# Altium PCB WordClock2.PcbDoc (part 3 of 3) (continued)
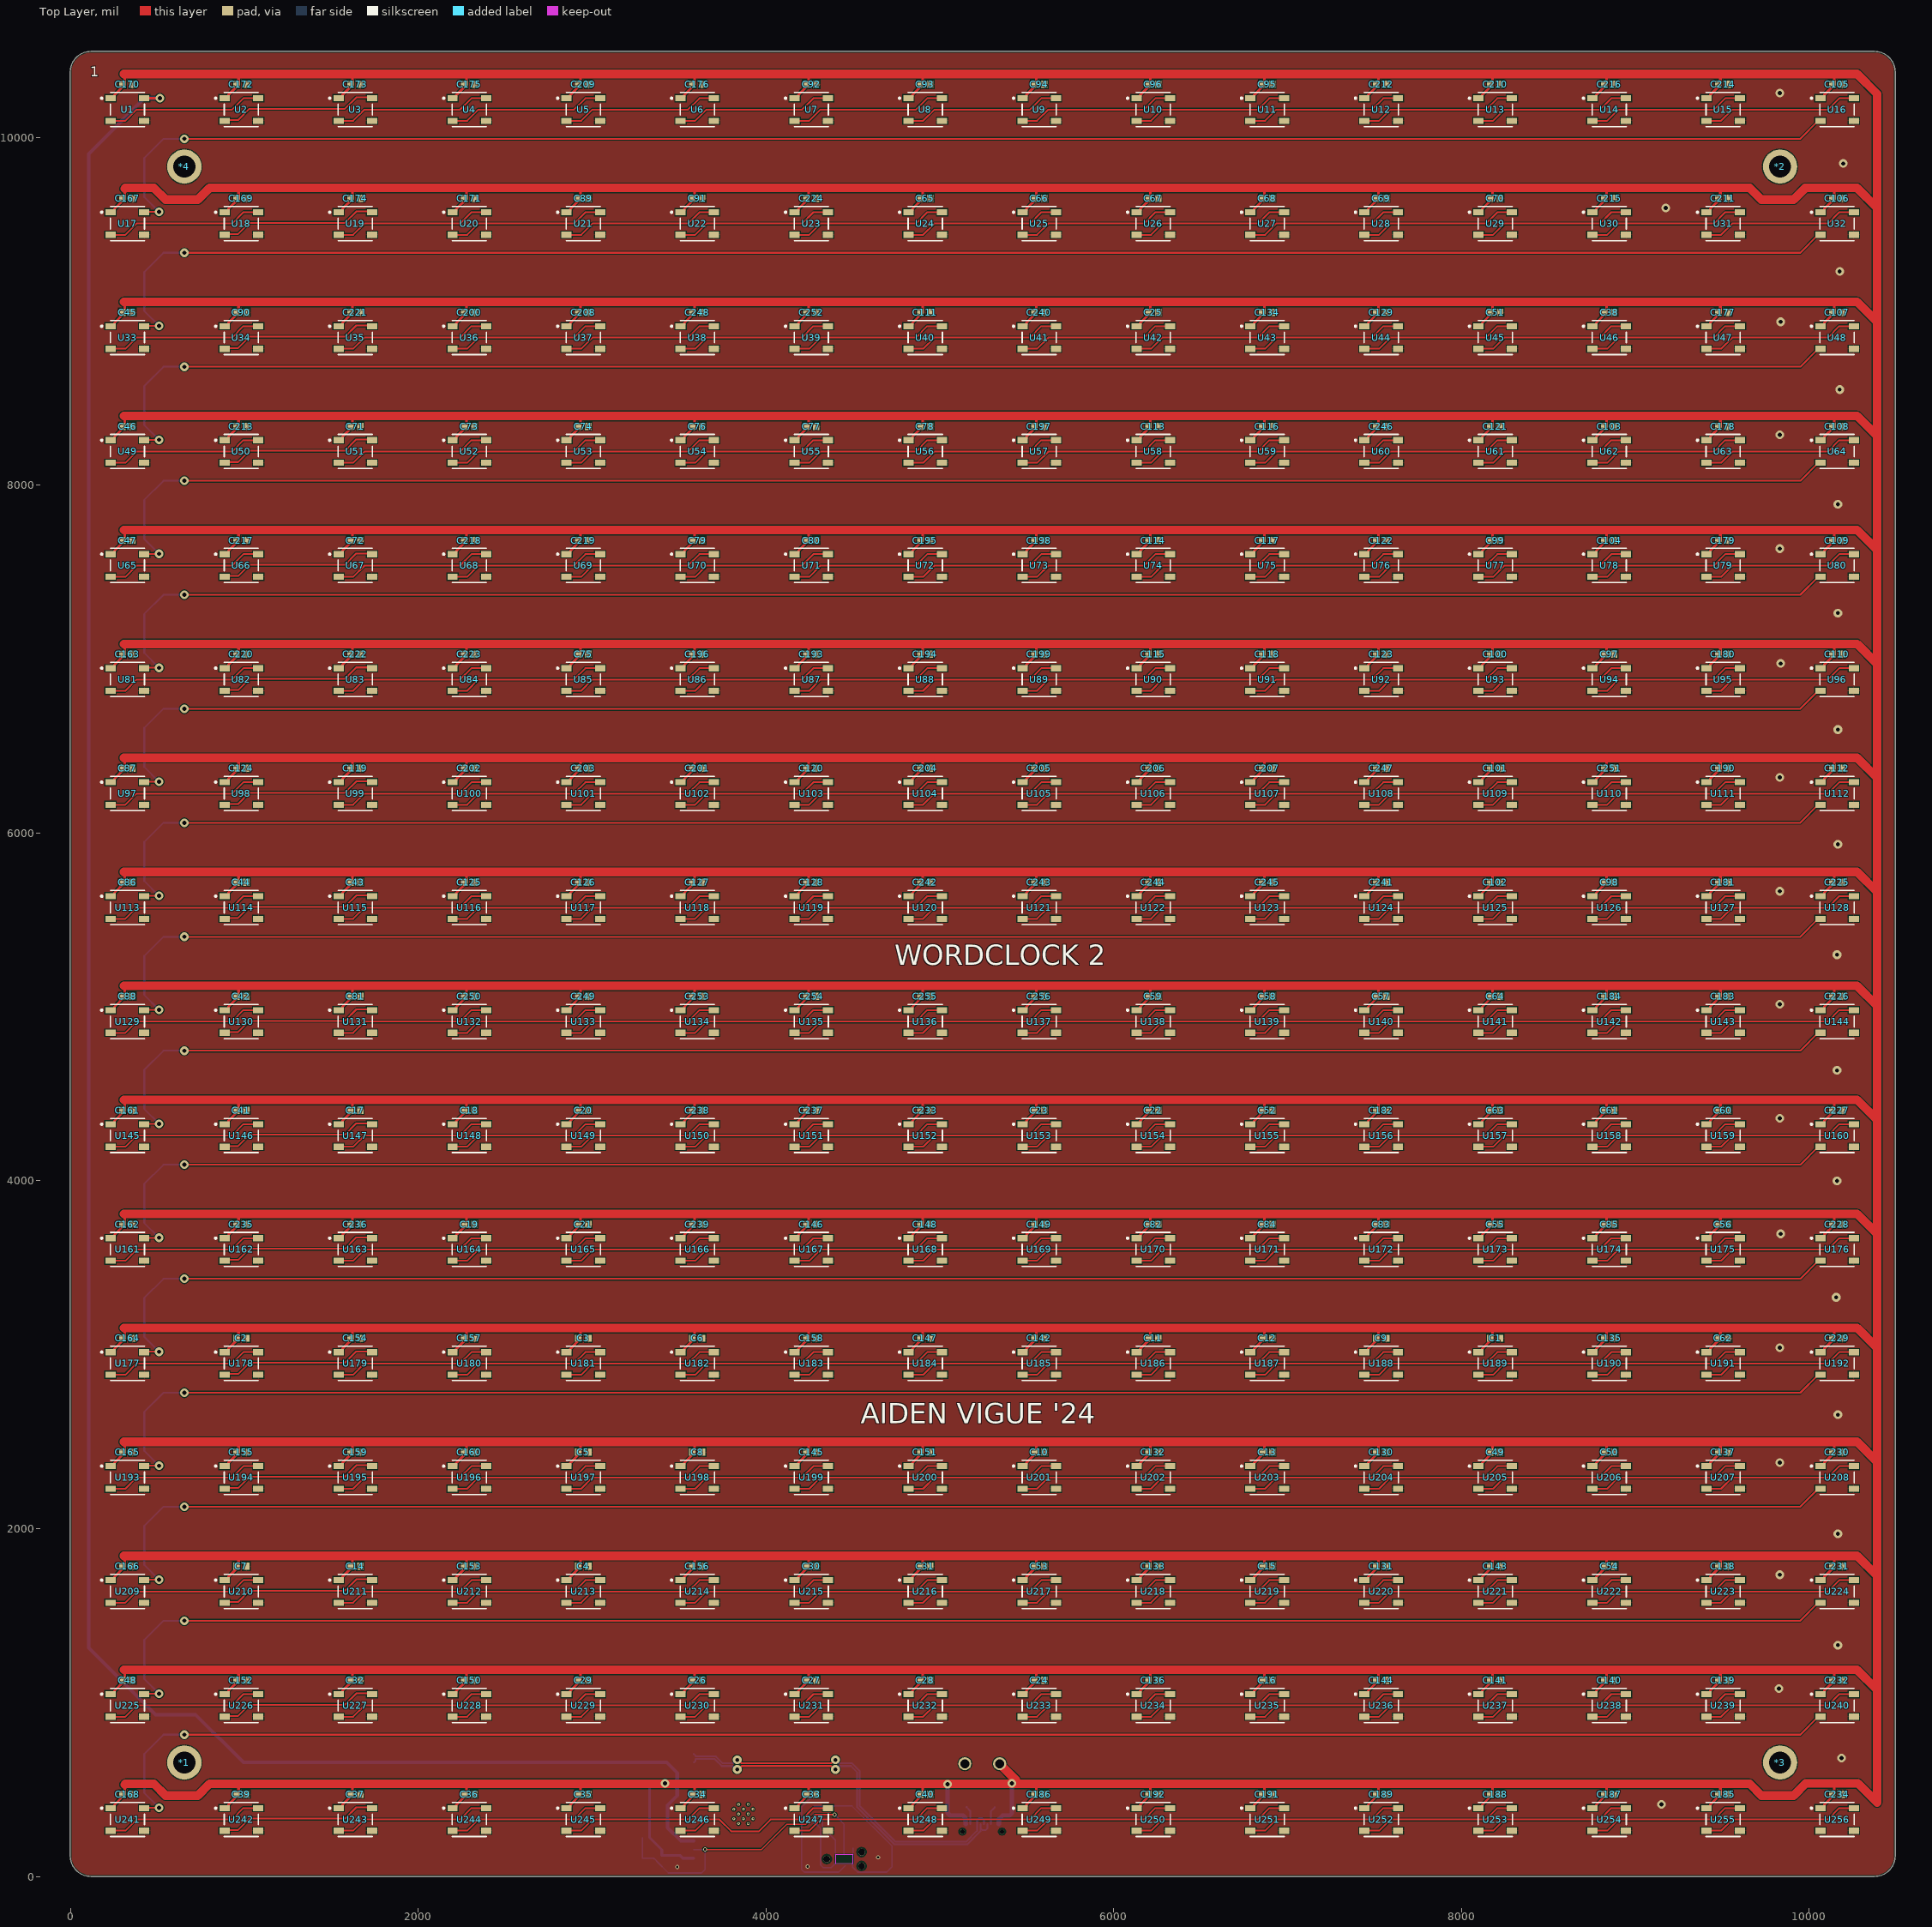
[diagram p0: Top Layer view]
## Nets (pads, with @x,y where several pads share a name; then routed paths per layer and width w, separated by ;. In a path a pad name is that pad's centre, name@x,y a point inside that pad or via, vN(x,y) a via of type N, cw(c..) or ccw(c..) an arc to the next point about the centre after c; other vN are vias at no path point) (continued)
NetU116_2: U116.2 U117.4 | length 902.2
  Top Layer w10: U116.2@2197.84,5506.89 2282.01,5506.89 2346.54,5571.42 2896.54,5571.42 2961.93,5636.81 U117.4@3046.26,5636.81
NetU117_2: U117.2 U118.4 | length 902.2
  Top Layer w10: U117.2@2853.35,5506.89 2937.52,5506.89 3002.05,5571.42 3552.05,5571.42 3617.44,5636.81 U118.4@3701.77,5636.81
NetU118_2: U118.2 U119.4 | length 902.2
  Top Layer w10: U118.2@3508.86,5506.89 3593.03,5506.89 3657.56,5571.42 4207.56,5571.42 4272.95,5636.81 U119.4@4357.28,5636.81
NetU119_2: U119.2 U120.4 | length 902.2
  Top Layer w10: U119.2@4164.37,5506.89 4248.55,5506.89 4313.07,5571.42 4863.07,5571.42 4928.47,5636.81 U120.4@5012.8,5636.81
NetU120_2: U120.2 U121.4 | length 902.2
  Top Layer w10: U120.2@4819.88,5506.89 4904.06,5506.89 4968.58,5571.42 5518.58,5571.42 5583.98,5636.81 U121.4@5668.31,5636.81
NetU121_2: U121.2 U122.4 | length 902.2
  Top Layer w10: U121.2@5475.39,5506.89 5559.57,5506.89 5624.09,5571.42 6174.09,5571.42 6239.49,5636.81 U122.4@6323.82,5636.81
NetU122_2: U122.2 U123.4 | length 902.2
  Top Layer w10: U122.2@6130.9,5506.89 6215.08,5506.89 6279.61,5571.42 6829.61,5571.42 6895,5636.81 U123.4@6979.33,5636.81
NetU123_2: U123.2 U124.4 | length 902.2
  Top Layer w10: U123.2@6786.42,5506.89 6870.59,5506.89 6935.12,5571.42 7485.12,5571.42 7550.51,5636.81 U124.4@7634.84,5636.81
NetU124_2: U124.2 U125.4 | length 902.2
  Top Layer w10: U124.2@7441.93,5506.89 7526.1,5506.89 7590.63,5571.42 8140.63,5571.42 8206.02,5636.81 U125.4@8290.35,5636.81
NetU125_2: U125.2 U126.4 | length 902.2
  Top Layer w10: U125.2@8097.44,5506.89 8181.61,5506.89 8246.14,5571.42 8796.14,5571.42 8861.53,5636.81 U126.4@8945.87,5636.81
NetU126_2: U126.2 U127.4 | length 902.2
  Top Layer w10: U126.2@8752.95,5506.89 8837.13,5506.89 8901.65,5571.42 9451.65,5571.42 9517.05,5636.81 U127.4@9601.38,5636.81
NetU127_2: U127.2 U128.4 | length 902.2
  Top Layer w10: U127.2@9408.47,5506.89 9492.64,5506.89 9557.17,5571.42 10107.17,5571.42 10172.56,5636.81 U128.4@10256.89,5636.81
NetU128_2: U128.2 U129.4 | length 10159.3
  Top Layer w10: U129.4@424.21,4981.3 426.5,4983.58 v1(510,4983.58) ; v1(655,5403.58) 9948.86,5403.58 10052.17,5506.89 U128.2@10063.98,5506.89
  Bottom Layer w10: v1(510,4983.58) 425,5068.58 425,5293.58 535,5403.58 v1(655,5403.58)
NetU129_2: U129.2 U130.4 | length 902.2
  Top Layer w10: U129.2@231.3,4851.38 315.47,4851.38 380,4915.91 930,4915.91 995.39,4981.3 U130.4@1079.72,4981.3
NetU130_2: U130.2 U131.4 | length 902.2
  Top Layer w10: U130.2@880,4855.91 964.17,4855.91 1028.7,4920.43 1578.7,4920.43 1644.09,4985.83 U131.4@1728.43,4985.83
NetU131_2: U131.2 U132.4 | length 902.2
  Top Layer w10: U131.2@1542.32,4851.38 1626.5,4851.38 1691.02,4915.91 2241.02,4915.91 2306.42,4981.3 U132.4@2390.75,4981.3
NetU132_2: U132.2 U133.4 | length 902.2
  Top Layer w10: U132.2@2197.84,4851.38 2282.01,4851.38 2346.54,4915.91 2896.54,4915.91 2961.93,4981.3 U133.4@3046.26,4981.3
NetU133_2: U133.2 U134.4 | length 902.2
  Top Layer w10: U133.2@2853.35,4851.38 2937.52,4851.38 3002.05,4915.91 3552.05,4915.91 3617.44,4981.3 U134.4@3701.77,4981.3
NetU134_2: U134.2 U135.4 | length 902.2
  Top Layer w10: U134.2@3508.86,4851.38 3593.03,4851.38 3657.56,4915.91 4207.56,4915.91 4272.95,4981.3 U135.4@4357.28,4981.3
NetU135_2: U135.2 U136.4 | length 902.2
  Top Layer w10: U135.2@4164.37,4851.38 4248.55,4851.38 4313.07,4915.91 4863.07,4915.91 4928.47,4981.3 U136.4@5012.8,4981.3
NetU136_2: U136.2 U137.4 | length 902.2
  Top Layer w10: U136.2@4819.88,4851.38 4904.06,4851.38 4968.58,4915.91 5518.58,4915.91 5583.98,4981.3 U137.4@5668.31,4981.3
NetU137_2: U137.2 U138.4 | length 902.2
  Top Layer w10: U137.2@5475.39,4851.38 5559.57,4851.38 5624.09,4915.91 6174.09,4915.91 6239.49,4981.3 U138.4@6323.82,4981.3
NetU138_2: U138.2 U139.4 | length 902.2
  Top Layer w10: U138.2@6130.9,4851.38 6215.08,4851.38 6279.61,4915.91 6829.61,4915.91 6895,4981.3 U139.4@6979.33,4981.3
NetU139_2: U139.2 U140.4 | length 902.2
  Top Layer w10: U139.2@6786.42,4851.38 6870.59,4851.38 6935.12,4915.91 7485.12,4915.91 7550.51,4981.3 U140.4@7634.84,4981.3
NetU140_2: U140.2 U141.4 | length 902.2
  Top Layer w10: U140.2@7441.93,4851.38 7526.1,4851.38 7590.63,4915.91 8140.63,4915.91 8206.02,4981.3 U141.4@8290.35,4981.3
NetU141_2: U141.2 U142.4 | length 902.2
  Top Layer w10: U141.2@8097.44,4851.38 8181.61,4851.38 8246.14,4915.91 8796.14,4915.91 8861.53,4981.3 U142.4@8945.87,4981.3
NetU142_2: U142.2 U143.4 | length 902.2
  Top Layer w10: U142.2@8752.95,4851.38 8837.13,4851.38 8901.65,4915.91 9451.65,4915.91 9517.05,4981.3 U143.4@9601.38,4981.3
NetU143_2: U143.2 U144.4 | length 902.2
  Top Layer w10: U143.2@9408.47,4851.38 9492.64,4851.38 9557.17,4915.91 10107.17,4915.91 10172.56,4981.3 U144.4@10256.89,4981.3
NetU144_2: U144.2 U145.4 | length 10159.3
  Top Layer w10: U145.4@424.21,4325.79 426.5,4328.07 v1(510,4328.07) ; v1(655,4748.07) 9948.86,4748.07 10052.17,4851.38 U144.2@10063.98,4851.38
  Bottom Layer w10: v1(510,4328.07) 425,4413.07 425,4638.07 535,4748.07 v1(655,4748.07)
NetU145_2: U145.2 U146.4 | length 902.2
  Top Layer w10: U145.2@231.3,4195.87 315.47,4195.87 380,4260.39 930,4260.39 995.39,4325.79 U146.4@1079.72,4325.79
NetU146_2: U146.2 U147.4 | length 902.2
  Top Layer w10: U146.2@880,4200.39 964.17,4200.39 1028.7,4264.92 1578.7,4264.92 1644.09,4330.31 U147.4@1728.43,4330.31
NetU147_2: U147.2 U148.4 | length 902.2
  Top Layer w10: U147.2@1542.32,4195.87 1626.5,4195.87 1691.02,4260.39 2241.02,4260.39 2306.42,4325.79 U148.4@2390.75,4325.79
NetU148_2: U148.2 U149.4 | length 902.2
  Top Layer w10: U148.2@2197.84,4195.87 2282.01,4195.87 2346.54,4260.39 2896.54,4260.39 2961.93,4325.79 U149.4@3046.26,4325.79
NetU149_2: U149.2 U150.4 | length 902.2
  Top Layer w10: U149.2@2853.35,4195.87 2937.52,4195.87 3002.05,4260.39 3552.05,4260.39 3617.44,4325.79 U150.4@3701.77,4325.79
NetU150_2: U150.2 U151.4 | length 902.2
  Top Layer w10: U150.2@3508.86,4195.87 3593.03,4195.87 3657.56,4260.39 4207.56,4260.39 4272.95,4325.79 U151.4@4357.28,4325.79
NetU151_2: U151.2 U152.4 | length 902.2
  Top Layer w10: U151.2@4164.37,4195.87 4248.55,4195.87 4313.07,4260.39 4863.07,4260.39 4928.47,4325.79 U152.4@5012.8,4325.79
NetU152_2: U152.2 U153.4 | length 902.2
  Top Layer w10: U152.2@4819.88,4195.87 4904.06,4195.87 4968.58,4260.39 5518.58,4260.39 5583.98,4325.79 U153.4@5668.31,4325.79
NetU153_2: U153.2 U154.4 | length 902.2
  Top Layer w10: U153.2@5475.39,4195.87 5559.57,4195.87 5624.09,4260.39 6174.09,4260.39 6239.49,4325.79 U154.4@6323.82,4325.79
NetU154_2: U154.2 U155.4 | length 902.2
  Top Layer w10: U154.2@6130.9,4195.87 6215.08,4195.87 6279.61,4260.39 6829.61,4260.39 6895,4325.79 U155.4@6979.33,4325.79
NetU155_2: U155.2 U156.4 | length 902.2
  Top Layer w10: U155.2@6786.42,4195.87 6870.59,4195.87 6935.12,4260.39 7485.12,4260.39 7550.51,4325.79 U156.4@7634.84,4325.79
NetU156_2: U156.2 U157.4 | length 902.2
  Top Layer w10: U156.2@7441.93,4195.87 7526.1,4195.87 7590.63,4260.39 8140.63,4260.39 8206.02,4325.79 U157.4@8290.35,4325.79
NetU157_2: U157.2 U158.4 | length 902.2
  Top Layer w10: U157.2@8097.44,4195.87 8181.61,4195.87 8246.14,4260.39 8796.14,4260.39 8861.53,4325.79 U158.4@8945.87,4325.79
NetU158_2: U158.2 U159.4 | length 902.2
  Top Layer w10: U158.2@8752.95,4195.87 8837.13,4195.87 8901.65,4260.39 9451.65,4260.39 9517.05,4325.79 U159.4@9601.38,4325.79
NetU159_2: U159.2 U160.4 | length 902.2
  Top Layer w10: U159.2@9408.47,4195.87 9492.64,4195.87 9557.17,4260.39 10107.17,4260.39 10172.56,4325.79 U160.4@10256.89,4325.79
NetU160_2: U160.2 U161.4 | length 10159.3
  Top Layer w10: U161.4@424.21,3670.27 426.5,3672.56 v1(510,3672.56) ; v1(655,4092.56) 9948.86,4092.56 10052.17,4195.87 U160.2@10063.98,4195.87
  Bottom Layer w10: v1(510,3672.56) 425,3757.56 425,3982.56 535,4092.56 v1(655,4092.56)
NetU161_2: U161.2 U162.4 | length 902.2
  Top Layer w10: U161.2@231.3,3540.35 315.47,3540.35 380,3604.88 930,3604.88 995.39,3670.27 U162.4@1079.72,3670.27
NetU162_2: U162.2 U163.4 | length 902.2
  Top Layer w10: U162.2@880,3544.88 964.17,3544.88 1028.7,3609.41 1578.7,3609.41 1644.09,3674.8 U163.4@1728.43,3674.8
NetU163_2: U163.2 U164.4 | length 902.2
  Top Layer w10: U163.2@1542.32,3540.35 1626.5,3540.35 1691.02,3604.88 2241.02,3604.88 2306.42,3670.27 U164.4@2390.75,3670.27
NetU164_2: U164.2 U165.4 | length 902.2
  Top Layer w10: U164.2@2197.84,3540.35 2282.01,3540.35 2346.54,3604.88 2896.54,3604.88 2961.93,3670.27 U165.4@3046.26,3670.27
NetU165_2: U165.2 U166.4 | length 902.2
  Top Layer w10: U165.2@2853.35,3540.35 2937.52,3540.35 3002.05,3604.88 3552.05,3604.88 3617.44,3670.27 U166.4@3701.77,3670.27
NetU166_2: U166.2 U167.4 | length 902.2
  Top Layer w10: U166.2@3508.86,3540.35 3593.03,3540.35 3657.56,3604.88 4207.56,3604.88 4272.95,3670.27 U167.4@4357.28,3670.27
NetU167_2: U167.2 U168.4 | length 902.2
  Top Layer w10: U167.2@4164.37,3540.35 4248.55,3540.35 4313.07,3604.88 4863.07,3604.88 4928.47,3670.27 U168.4@5012.8,3670.27
NetU168_2: U168.2 U169.4 | length 902.2
  Top Layer w10: U168.2@4819.88,3540.35 4904.06,3540.35 4968.58,3604.88 5518.58,3604.88 5583.98,3670.27 U169.4@5668.31,3670.27
NetU169_2: U169.2 U170.4 | length 902.2
  Top Layer w10: U169.2@5475.39,3540.35 5559.57,3540.35 5624.09,3604.88 6174.09,3604.88 6239.49,3670.27 U170.4@6323.82,3670.27
NetU170_2: U170.2 U171.4 | length 902.2
  Top Layer w10: U170.2@6130.9,3540.35 6215.08,3540.35 6279.61,3604.88 6829.61,3604.88 6895,3670.27 U171.4@6979.33,3670.27
NetU171_2: U171.2 U172.4 | length 902.2
  Top Layer w10: U171.2@6786.42,3540.35 6870.59,3540.35 6935.12,3604.88 7485.12,3604.88 7550.51,3670.27 U172.4@7634.84,3670.27
NetU172_2: U172.2 U173.4 | length 902.2
  Top Layer w10: U172.2@7441.93,3540.35 7526.1,3540.35 7590.63,3604.88 8140.63,3604.88 8206.02,3670.27 U173.4@8290.35,3670.27
NetU173_2: U173.2 U174.4 | length 902.2
  Top Layer w10: U173.2@8097.44,3540.35 8181.61,3540.35 8246.14,3604.88 8796.14,3604.88 8861.53,3670.27 U174.4@8945.87,3670.27
NetU174_2: U174.2 U175.4 | length 902.2
  Top Layer w10: U174.2@8752.95,3540.35 8837.13,3540.35 8901.65,3604.88 9451.65,3604.88 9517.05,3670.27 U175.4@9601.38,3670.27
NetU175_2: U175.2 U176.4 | length 902.2
  Top Layer w10: U175.2@9408.47,3540.35 9492.64,3540.35 9557.17,3604.88 10107.17,3604.88 10172.56,3670.27 U176.4@10256.89,3670.27
NetU176_2: U176.2 U177.4 | length 10159.3
  Top Layer w10: U177.4@424.21,3014.76 426.5,3017.05 v1(510,3017.05) ; v1(655,3437.05) 9948.86,3437.05 10052.17,3540.35 U176.2@10063.98,3540.35
  Bottom Layer w10: v1(510,3017.05) 425,3102.05 425,3327.05 535,3437.05 v1(655,3437.05)
NetU177_2: U177.2 U178.4 | length 902.2
  Top Layer w10: U177.2@231.3,2884.84 315.47,2884.84 380,2949.37 930,2949.37 995.39,3014.76 U178.4@1079.72,3014.76
NetU178_2: U178.2 U179.4 | length 902.2
  Top Layer w10: U178.2@880,2889.37 964.17,2889.37 1028.7,2953.9 1578.7,2953.9 1644.09,3019.29 U179.4@1728.43,3019.29
NetU179_2: U179.2 U180.4 | length 902.2
  Top Layer w10: U179.2@1542.32,2884.84 1626.5,2884.84 1691.02,2949.37 2241.02,2949.37 2306.42,3014.76 U180.4@2390.75,3014.76
NetU180_2: U180.2 U181.4 | length 902.2
  Top Layer w10: U180.2@2197.84,2884.84 2282.01,2884.84 2346.54,2949.37 2896.54,2949.37 2961.93,3014.76 U181.4@3046.26,3014.76
NetU181_2: U181.2 U182.4 | length 902.2
  Top Layer w10: U181.2@2853.35,2884.84 2937.52,2884.84 3002.05,2949.37 3552.05,2949.37 3617.44,3014.76 U182.4@3701.77,3014.76
NetU182_2: U182.2 U183.4 | length 902.2
  Top Layer w10: U182.2@3508.86,2884.84 3593.03,2884.84 3657.56,2949.37 4207.56,2949.37 4272.95,3014.76 U183.4@4357.28,3014.76
NetU183_2: U183.2 U184.4 | length 902.2
  Top Layer w10: U183.2@4164.37,2884.84 4248.55,2884.84 4313.07,2949.37 4863.07,2949.37 4928.47,3014.76 U184.4@5012.8,3014.76
NetU184_2: U184.2 U185.4 | length 902.2
  Top Layer w10: U184.2@4819.88,2884.84 4904.06,2884.84 4968.58,2949.37 5518.58,2949.37 5583.98,3014.76 U185.4@5668.31,3014.76
NetU185_2: U185.2 U186.4 | length 902.2
  Top Layer w10: U185.2@5475.39,2884.84 5559.57,2884.84 5624.09,2949.37 6174.09,2949.37 6239.49,3014.76 U186.4@6323.82,3014.76
NetU186_2: U186.2 U187.4 | length 902.2
  Top Layer w10: U186.2@6130.9,2884.84 6215.08,2884.84 6279.61,2949.37 6829.61,2949.37 6895,3014.76 U187.4@6979.33,3014.76
NetU187_2: U187.2 U188.4 | length 902.2
  Top Layer w10: U187.2@6786.42,2884.84 6870.59,2884.84 6935.12,2949.37 7485.12,2949.37 7550.51,3014.76 U188.4@7634.84,3014.76
NetU188_2: U188.2 U189.4 | length 902.2
  Top Layer w10: U188.2@7441.93,2884.84 7526.1,2884.84 7590.63,2949.37 8140.63,2949.37 8206.02,3014.76 U189.4@8290.35,3014.76
NetU189_2: U189.2 U190.4 | length 902.2
  Top Layer w10: U189.2@8097.44,2884.84 8181.61,2884.84 8246.14,2949.37 8796.14,2949.37 8861.53,3014.76 U190.4@8945.87,3014.76
NetU190_2: U190.2 U191.4 | length 902.2
  Top Layer w10: U190.2@8752.95,2884.84 8837.13,2884.84 8901.65,2949.37 9451.65,2949.37 9517.05,3014.76 U191.4@9601.38,3014.76
NetU191_2: U191.2 U192.4 | length 902.2
  Top Layer w10: U191.2@9408.47,2884.84 9492.64,2884.84 9557.17,2949.37 10107.17,2949.37 10172.56,3014.76 U192.4@10256.89,3014.76
NetU192_2: U192.2 U193.4 | length 10159.3
  Top Layer w10: U193.4@424.21,2359.25 426.5,2361.53 v1(510,2361.53) ; v1(655,2781.53) 9948.86,2781.53 10052.17,2884.84 U192.2@10063.98,2884.84
  Bottom Layer w10: v1(510,2361.53) 425,2446.53 425,2671.53 535,2781.53 v1(655,2781.53)
NetU193_2: U193.2 U194.4 | length 902.2
  Top Layer w10: U193.2@231.3,2229.33 315.47,2229.33 380,2293.86 930,2293.86 995.39,2359.25 U194.4@1079.72,2359.25
NetU194_2: U194.2 U195.4 | length 902.2
  Top Layer w10: U194.2@880,2233.86 964.17,2233.86 1028.7,2298.39 1578.7,2298.39 1644.09,2363.78 U195.4@1728.43,2363.78
NetU195_2: U195.2 U196.4 | length 902.2
  Top Layer w10: U195.2@1542.32,2229.33 1626.5,2229.33 1691.02,2293.86 2241.02,2293.86 2306.42,2359.25 U196.4@2390.75,2359.25
NetU196_2: U196.2 U197.4 | length 902.2
  Top Layer w10: U196.2@2197.84,2229.33 2282.01,2229.33 2346.54,2293.86 2896.54,2293.86 2961.93,2359.25 U197.4@3046.26,2359.25
NetU197_2: U197.2 U198.4 | length 902.2
  Top Layer w10: U197.2@2853.35,2229.33 2937.52,2229.33 3002.05,2293.86 3552.05,2293.86 3617.44,2359.25 U198.4@3701.77,2359.25
NetU198_2: U198.2 U199.4 | length 902.2
  Top Layer w10: U198.2@3508.86,2229.33 3593.03,2229.33 3657.56,2293.86 4207.56,2293.86 4272.95,2359.25 U199.4@4357.28,2359.25
NetU199_2: U199.2 U200.4 | length 902.2
  Top Layer w10: U199.2@4164.37,2229.33 4248.55,2229.33 4313.07,2293.86 4863.07,2293.86 4928.47,2359.25 U200.4@5012.8,2359.25
NetU200_2: U200.2 U201.4 | length 902.2
  Top Layer w10: U200.2@4819.88,2229.33 4904.06,2229.33 4968.58,2293.86 5518.58,2293.86 5583.98,2359.25 U201.4@5668.31,2359.25
NetU201_2: U201.2 U202.4 | length 902.2
  Top Layer w10: U201.2@5475.39,2229.33 5559.57,2229.33 5624.09,2293.86 6174.09,2293.86 6239.49,2359.25 U202.4@6323.82,2359.25
NetU202_2: U202.2 U203.4 | length 902.2
  Top Layer w10: U202.2@6130.9,2229.33 6215.08,2229.33 6279.61,2293.86 6829.61,2293.86 6895,2359.25 U203.4@6979.33,2359.25
NetU203_2: U203.2 U204.4 | length 902.2
  Top Layer w10: U203.2@6786.42,2229.33 6870.59,2229.33 6935.12,2293.86 7485.12,2293.86 7550.51,2359.25 U204.4@7634.84,2359.25
NetU204_2: U204.2 U205.4 | length 902.2
  Top Layer w10: U204.2@7441.93,2229.33 7526.1,2229.33 7590.63,2293.86 8140.63,2293.86 8206.02,2359.25 U205.4@8290.35,2359.25
NetU205_2: U205.2 U206.4 | length 902.2
  Top Layer w10: U205.2@8097.44,2229.33 8181.61,2229.33 8246.14,2293.86 8796.14,2293.86 8861.53,2359.25 U206.4@8945.87,2359.25
NetU206_2: U206.2 U207.4 | length 902.2
  Top Layer w10: U206.2@8752.95,2229.33 8837.13,2229.33 8901.65,2293.86 9451.65,2293.86 9517.05,2359.25 U207.4@9601.38,2359.25
NetU207_2: U207.2 U208.4 | length 902.2
  Top Layer w10: U207.2@9408.47,2229.33 9492.64,2229.33 9557.17,2293.86 10107.17,2293.86 10172.56,2359.25 U208.4@10256.89,2359.25
NetU208_2: U208.2 U209.4 | length 10159.3
  Top Layer w10: U209.4@424.21,1703.74 426.5,1706.02 v1(510,1706.02) ; v1(655,2126.02) 9948.86,2126.02 10052.17,2229.33 U208.2@10063.98,2229.33
  Bottom Layer w10: v1(510,1706.02) 425,1791.02 425,2016.02 535,2126.02 v1(655,2126.02)
NetU209_2: U209.2 U210.4 | length 902.2
  Top Layer w10: U209.2@231.3,1573.82 315.47,1573.82 380,1638.35 930,1638.35 995.39,1703.74 U210.4@1079.72,1703.74
NetU210_2: U210.2 U211.4 | length 902.2
  Top Layer w10: U210.2@880,1578.35 964.17,1578.35 1028.7,1642.87 1578.7,1642.87 1644.09,1708.27 U211.4@1728.43,1708.27
NetU211_2: U211.2 U212.4 | length 902.2
  Top Layer w10: U211.2@1542.32,1573.82 1626.5,1573.82 1691.02,1638.35 2241.02,1638.35 2306.42,1703.74 U212.4@2390.75,1703.74
NetU212_2: U212.2 U213.4 | length 902.2
  Top Layer w10: U212.2@2197.84,1573.82 2282.01,1573.82 2346.54,1638.35 2896.54,1638.35 2961.93,1703.74 U213.4@3046.26,1703.74
NetU213_2: U213.2 U214.4 | length 902.2
  Top Layer w10: U213.2@2853.35,1573.82 2937.52,1573.82 3002.05,1638.35 3552.05,1638.35 3617.44,1703.74 U214.4@3701.77,1703.74
NetU214_2: U214.2 U215.4 | length 902.2
  Top Layer w10: U214.2@3508.86,1573.82 3593.03,1573.82 3657.56,1638.35 4207.56,1638.35 4272.95,1703.74 U215.4@4357.28,1703.74
NetU215_2: U215.2 U216.4 | length 902.2
  Top Layer w10: U215.2@4164.37,1573.82 4248.55,1573.82 4313.07,1638.35 4863.07,1638.35 4928.47,1703.74 U216.4@5012.8,1703.74
NetU216_2: U216.2 U217.4 | length 902.2
  Top Layer w10: U216.2@4819.88,1573.82 4904.06,1573.82 4968.58,1638.35 5518.58,1638.35 5583.98,1703.74 U217.4@5668.31,1703.74
NetU217_2: U217.2 U218.4 | length 902.2
  Top Layer w10: U217.2@5475.39,1573.82 5559.57,1573.82 5624.09,1638.35 6174.09,1638.35 6239.49,1703.74 U218.4@6323.82,1703.74
NetU218_2: U218.2 U219.4 | length 902.2
  Top Layer w10: U218.2@6130.9,1573.82 6215.08,1573.82 6279.61,1638.35 6829.61,1638.35 6895,1703.74 U219.4@6979.33,1703.74
NetU219_2: U219.2 U220.4 | length 902.2
  Top Layer w10: U219.2@6786.42,1573.82 6870.59,1573.82 6935.12,1638.35 7485.12,1638.35 7550.51,1703.74 U220.4@7634.84,1703.74
NetU220_2: U220.2 U221.4 | length 902.2
  Top Layer w10: U220.2@7441.93,1573.82 7526.1,1573.82 7590.63,1638.35 8140.63,1638.35 8206.02,1703.74 U221.4@8290.35,1703.74
NetU221_2: U221.2 U222.4 | length 902.2
  Top Layer w10: U221.2@8097.44,1573.82 8181.61,1573.82 8246.14,1638.35 8796.14,1638.35 8861.53,1703.74 U222.4@8945.87,1703.74
NetU222_2: U222.2 U223.4 | length 902.2
  Top Layer w10: U222.2@8752.95,1573.82 8837.13,1573.82 8901.65,1638.35 9451.65,1638.35 9517.05,1703.74 U223.4@9601.38,1703.74
NetU223_2: U223.2 U224.4 | length 902.2
  Top Layer w10: U223.2@9408.47,1573.82 9492.64,1573.82 9557.17,1638.35 10107.17,1638.35 10172.56,1703.74 U224.4@10256.89,1703.74
NetU224_2: U224.2 U225.4 | length 10159.3
  Top Layer w10: U225.4@424.21,1048.23 426.5,1050.51 v1(510,1050.51) ; v1(655,1470.51) 9948.86,1470.51 10052.17,1573.82 U224.2@10063.98,1573.82
  Bottom Layer w10: v1(510,1050.51) 425,1135.51 425,1360.51 535,1470.51 v1(655,1470.51)
NetU225_2: U225.2 U226.4 | length 902.2
  Top Layer w10: U225.2@231.3,918.31 315.47,918.31 380,982.83 930,982.83 995.39,1048.23 U226.4@1079.72,1048.23
NetU226_2: U226.2 U227.4 | length 902.2
  Top Layer w10: U226.2@880,922.83 964.17,922.83 1028.7,987.36 1578.7,987.36 1644.09,1052.75 U227.4@1728.43,1052.75
NetU227_2: U227.2 U228.4 | length 902.2
  Top Layer w10: U227.2@1542.32,918.31 1626.5,918.31 1691.02,982.83 2241.02,982.83 2306.42,1048.23 U228.4@2390.75,1048.23
NetU228_2: U228.2 U229.4 | length 902.2
  Top Layer w10: U228.2@2197.84,918.31 2282.01,918.31 2346.54,982.83 2896.54,982.83 2961.93,1048.23 U229.4@3046.26,1048.23
NetU229_2: U229.2 U230.4 | length 902.2
  Top Layer w10: U229.2@2853.35,918.31 2937.52,918.31 3002.05,982.83 3552.05,982.83 3617.44,1048.23 U230.4@3701.77,1048.23
NetU230_2: U230.2 U231.4 | length 902.2
  Top Layer w10: U230.2@3508.86,918.31 3593.03,918.31 3657.56,982.83 4207.56,982.83 4272.95,1048.23 U231.4@4357.28,1048.23
NetU231_2: U231.2 U232.4 | length 902.2
  Top Layer w10: U231.2@4164.37,918.31 4248.55,918.31 4313.07,982.83 4863.07,982.83 4928.47,1048.23 U232.4@5012.8,1048.23
NetU232_2: U232.2 U233.4 | length 902.2
  Top Layer w10: U232.2@4819.88,918.31 4904.06,918.31 4968.58,982.83 5518.58,982.83 5583.98,1048.23 U233.4@5668.31,1048.23
NetU233_2: U233.2 U234.4 | length 902.2
  Top Layer w10: U233.2@5475.39,918.31 5559.57,918.31 5624.09,982.83 6174.09,982.83 6239.49,1048.23 U234.4@6323.82,1048.23
NetU234_2: U234.2 U235.4 | length 902.2
  Top Layer w10: U234.2@6130.9,918.31 6215.08,918.31 6279.61,982.83 6829.61,982.83 6895,1048.23 U235.4@6979.33,1048.23
NetU235_2: U235.2 U236.4 | length 902.2
  Top Layer w10: U235.2@6786.42,918.31 6870.59,918.31 6935.12,982.83 7485.12,982.83 7550.51,1048.23 U236.4@7634.84,1048.23
NetU236_2: U236.2 U237.4 | length 902.2
  Top Layer w10: U236.2@7441.93,918.31 7526.1,918.31 7590.63,982.83 8140.63,982.83 8206.02,1048.23 U237.4@8290.35,1048.23
NetU237_2: U237.2 U238.4 | length 902.2
  Top Layer w10: U237.2@8097.44,918.31 8181.61,918.31 8246.14,982.83 8796.14,982.83 8861.53,1048.23 U238.4@8945.87,1048.23
NetU238_2: U238.2 U239.4 | length 902.2
  Top Layer w10: U238.2@8752.95,918.31 8837.13,918.31 8901.65,982.83 9451.65,982.83 9517.05,1048.23 U239.4@9601.38,1048.23
NetU239_2: U239.2 U240.4 | length 902.2
  Top Layer w10: U239.2@9408.47,918.31 9492.64,918.31 9557.17,982.83 10107.17,982.83 10172.56,1048.23 U240.4@10256.89,1048.23
NetU240_2: U240.2 U241.4 | length 10159.3
  Top Layer w10: U241.4@424.21,392.72 426.5,395 v1(510,395) ; v1(655,815) 9948.86,815 10052.17,918.31 U240.2@10063.98,918.31
  Bottom Layer w10: v1(510,395) 425,480 425,705 535,815 v1(655,815)
NetU241_2: U241.2 U242.4 | length 902.2
  Top Layer w10: U241.2@231.3,262.8 315.47,262.8 380,327.32 930,327.32 995.39,392.72 U242.4@1079.72,392.72
NetU242_2: U242.2 U243.4 | length 902.2
  Top Layer w10: U242.2@880,267.32 964.17,267.32 1028.7,331.85 1578.7,331.85 1644.09,397.24 U243.4@1728.43,397.24
NetU243_2: U243.2 U244.4 | length 902.2
  Top Layer w10: U243.2@1542.32,262.8 1626.5,262.8 1691.02,327.32 2241.02,327.32 2306.42,392.72 U244.4@2390.75,392.72
NetU244_2: U244.2 U245.4 | length 902.2
  Top Layer w10: U244.2@2197.84,262.8 2282.01,262.8 2346.54,327.32 2896.54,327.32 2961.93,392.72 U245.4@3046.26,392.72
NetU245_2: U245.2 U246.4 | length 902.2
  Top Layer w10: U245.2@2853.35,262.8 2937.52,262.8 3002.05,327.32 3552.05,327.32 3617.44,392.72 U246.4@3701.77,392.72
NetU246_2: U246.2 U247.4 | length 958
  Top Layer w10: U246.2@3508.86,262.8 3593.03,262.8 3657.56,327.32 3732.68,327.32 3800,260 3960,260 4027.32,327.32 4207.56,327.32 4272.95,392.72 U247.4@4357.28,392.72
NetU247_2: U247.2 U248.4 | length 902.2
  Top Layer w10: U247.2@4164.37,262.8 4248.55,262.8 4313.07,327.32 4863.07,327.32 4928.47,392.72 U248.4@5012.8,392.72
NetU248_2: U248.2 U249.4 | length 902.2
  Top Layer w10: U248.2@4819.88,262.8 4904.06,262.8 4968.58,327.32 5518.58,327.32 5583.98,392.72 U249.4@5668.31,392.72
NetU249_2: U249.2 U250.4 | length 902.2
  Top Layer w10: U249.2@5475.39,262.8 5559.57,262.8 5624.09,327.32 6174.09,327.32 6239.49,392.72 U250.4@6323.82,392.72
NetU250_2: U250.2 U251.4 | length 902.2
  Top Layer w10: U250.2@6130.9,262.8 6215.08,262.8 6279.61,327.32 6829.61,327.32 6895,392.72 U251.4@6979.33,392.72
NetU251_2: U251.2 U252.4 | length 902.2
  Top Layer w10: U251.2@6786.42,262.8 6870.59,262.8 6935.12,327.32 7485.12,327.32 7550.51,392.72 U252.4@7634.84,392.72
NetU252_2: U252.2 U253.4 | length 902.2
  Top Layer w10: U252.2@7441.93,262.8 7526.1,262.8 7590.63,327.32 8140.63,327.32 8206.02,392.72 U253.4@8290.35,392.72
NetU253_2: U253.2 U254.4 | length 902.2
  Top Layer w10: U253.2@8097.44,262.8 8181.61,262.8 8246.14,327.32 8796.14,327.32 8861.53,392.72 U254.4@8945.87,392.72
NetU254_2: U254.2 U255.4 | length 902.2
  Top Layer w10: U254.2@8752.95,262.8 8837.13,262.8 8901.65,327.32 9451.65,327.32 9517.05,392.72 U255.4@9601.38,392.72
NetU255_2: U255.2 U256.4 | length 902.2
  Top Layer w10: U255.2@9408.47,262.8 9492.64,262.8 9557.17,327.32 10107.17,327.32 10172.56,392.72 U256.4@10256.89,392.72
USB_N: J1.A7 J1.B7 U257.13 | length 2165.6
  Top Layer w10: v1(3835,615) 3840.86,615 3860.86,635 4374.14,635 4394.14,615 v1(4400,615)
  Bottom Layer w10: U257.13@3585,655 3595,665 3595,675 3705.61,675 3745.61,635 3809.14,635 3829.14,615 v1(3835,615) ; v1(4400,615) 4405.86,620.86 4405.86,635 4488.79,635 4524.09,599.7 4524.09,399.7 4738.79,185 5158.25,185 5233.35,260.1 5233.35,298.98 J1.A7@5234.25,299.88 ; 5235.16,275.98 5245.36,265.77 5262.51,265.77 5272.72,275.98 5272.72,298.98 J1.B7@5273.62,299.88
USB_P: J1.A6 J1.B6 U257.14 | length 2158.9
  Top Layer w10: v1(3835,670) 3840.86,670 3860.86,650 4374.14,650 4394.14,670 v1(4400,670)
  Bottom Layer w10: U257.14@3585,705 3595,695 3595,690 3711.83,690 3751.83,650 3809.14,650 3829.14,670 v1(3835,670) ; v1(4400,670) 4405.86,664.14 4405.86,650 4495,650 4539.09,605.91 4539.09,405.91 4745,200 5152.04,200 5214.18,262.14 5214.18,299.49 J1.B6@5214.57,299.88 5215.47,300.79 5215.47,323.79 5226.68,335 5241.82,335 5253.03,323.79 5253.03,300.79 J1.A6@5253.94,299.88
VCC: C257.1 C258.1 R1.1 U257.2 U258.2 U258.4 | length 634
  Bottom Layer w15: U258.2@3330,534.31 U258.4@3330,292.19 3330.83,291.35 3330.83,223.11 3401.04,152.9 C257.1@3401.04,119.9 C258.1@3467.08,119.9 3507.15,119.9 3522.05,105 U257.2@3585,105
pads on no net: J1. J1.A8 J1.B8 J2. U256.2 U257.5 U257.6 U257.7 U257.8 U257.9 U257.10 U257.11 U257.12 U257.15 U257.16 U257.17 U257.18 U257.19 U257.20 U257.21 U257.22 U257.23 U257.24 U257.25 U257.26 U257.27 U257.28 U257.29 U257.30 U257.31 U257.36 U257.37 U257.38 U257.39 U257.41_10 U257.41_11 U257.41_12 U257.41_13 U257.41_14 U257.41_15 U257.41_16 U257.41_17 U257.41_18 U257.41_19 U257.41_20 U257.41_21

## Polygon pours and split planes (outlines as drawn)
GND on Top Layer "GND_L01_P004" (solid, pour order 4): -0.49,118.11 -0.49,10376.38 cw(c117.62,10376.38) 117.62,10494.49 10375.89,10494.49 cw(c10375.89,10376.38) 10494,10376.38 10494,118.11 cw(c10375.89,118.11) 10375.89,0 117.62,0 cw(c117.62,118.11)
GND on Bottom Layer "GND_L02_P005" (solid, pour order 5): -0.49,118.11 -0.49,10376.38 cw(c117.62,10376.38) 117.62,10494.49 10375.89,10494.49 cw(c10375.89,10376.38) 10494,10376.38 10494,118.11 cw(c10375.89,118.11) 10375.89,0 117.62,0 cw(c117.62,118.11)

## Silkscreen, mask and mechanical layers (free items; w line width, h text height)
Top Overlay:
  text "1" at 115,10330 h100
  text "WORDCLOCK 2" at 4740,5201.48 h200
  text "AIDEN VIGUE '24" at 4545,2566.48 h200
Bottom Overlay:
  text "5+" at 5411.36,836.33 h160
  text "DBG" at 4515,195.74 h100
  text "https://vigue.me/posts/wordclock" at 10375,117.46 h100
  text "JLCJLCJLCJLC" at 710,100.65 h100
  text "RST" at 2980,56.48 h200
Mechanical 1:
  the board outline again, w10